# Altium PCB RTD_12POS_WPSv3.PcbDoc (part 3 of 4)
Units mm, origin at the board's own origin, x right, y up, seen from the top; angles counter-clockwise.
Board outline 122.3 x 122.04 mm, 2 copper layers (Top Layer, Bottom Layer); 327 components, 290 nets, 1265 pads, 672 vias.
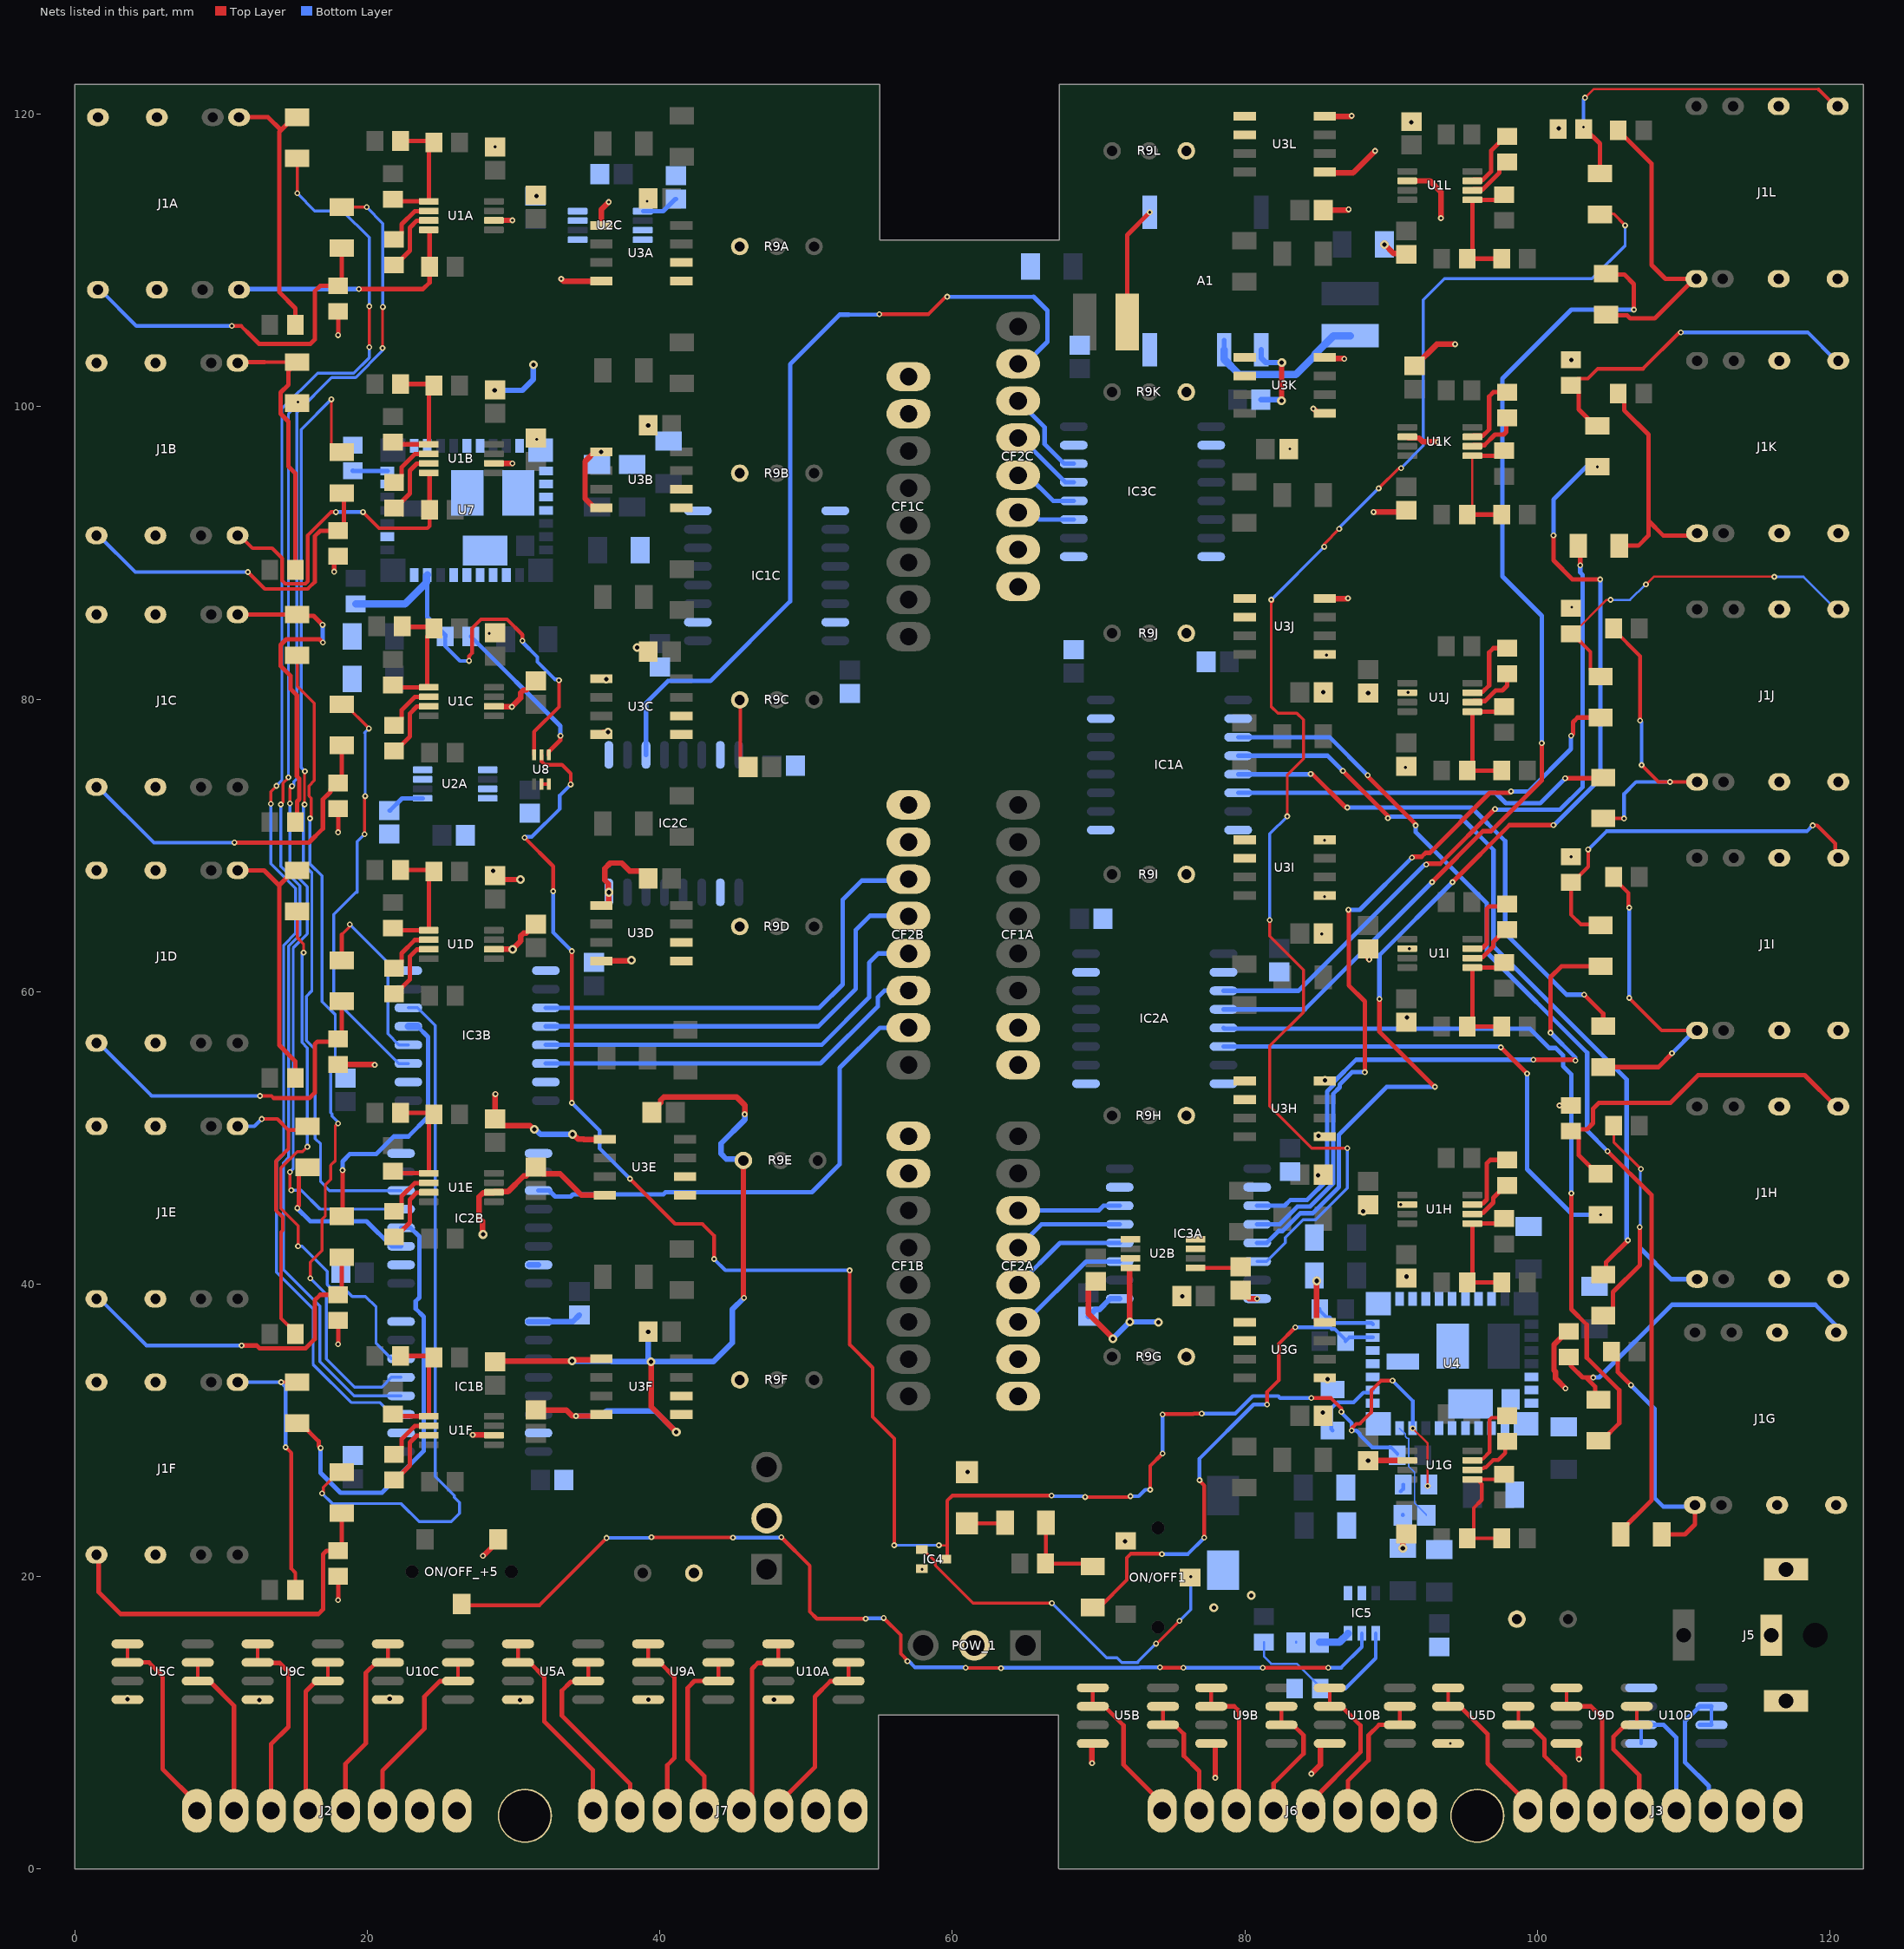
[diagram p3: the nets of this part, all layers, seen from the top]

## Via types
v1: diameter 0.4, hole 0.2, Top Layer to Bottom Layer, tented both sides, 569 vias
v2: diameter 0.6, hole 0.3, Top Layer to Bottom Layer, 59 vias
v3: diameter 0.6, hole 0.3, Top Layer to Bottom Layer, tented both sides, 42 vias
v4: diameter 1.27, hole 0.711, Top Layer to Bottom Layer, 2 vias

## Nets (pads, with @x,y where several pads share a name; then routed paths per layer and width w, separated by ;. In a path a pad name is that pad's centre, name@x,y a point inside that pad or via, vN(x,y) a via of type N, cw(c..) or ccw(c..) an arc to the next point about the centre after c; other vN are vias at no path point) (continued)
CF_OUT8B: CF2B.7 IC2B.11 | length 34.1
  Bottom Layer w0.305: IC2B.11@31.7,46.405 32.43,46.405 32.834,46.001 33.899,46.001 34.046,46.148 40.235,46.148 40.385,46.298 50.398,46.298 52.3,48.2 52.3,54.8 55.04,57.54 CF2B.7@57,57.54
CF_OUT8C: CF2C.7 IC2C.11 | length 57.1
  Top Layer w0.254: v1(55,106.325) 58.35,106.325 59.55,107.525 v1(59.65,107.525)
  Bottom Layer w0.254: 52.925,106.3 54.975,106.3 v1(55,106.325) ; v1(59.65,107.525) 65.55,107.525
  Bottom Layer w0.305: IC2C.11@39.05,76.2 39.05,79.75 40.548,81.248 43.448,81.248 48.902,86.702 48.902,102.902 52.3,106.3 52.925,106.3 ; CF2C.7@64.5,102.94 65,102.94 66.5,104.44 66.5,106.575 65.55,107.525
CF_OUT9A: CF2A.6 IC3A.14 | length 7.1
  Bottom Layer w0.305: CF2A.6@64.5,45.04 70.013,45.04 70.338,45.365 IC3A.14@71.44,45.365
CF_OUT9B: CF2B.6 IC3B.14 | length 27.2
  Bottom Layer w0.305: IC3B.14@32.2,55.095 50.995,55.095 54.9,59 54.9,59.621 55.359,60.08 CF2B.6@57,60.08
CF_OUT9C: CF2C.6 IC3C.14 | length 6.2
  Bottom Layer w0.305: CF2C.6@64.5,100.4 66.302,98.598 66.302,97.453 67.65,96.105 IC3C.14@68.3,96.105
CF_OUT10A: CF2A.5 IC3A.13 | length 7.6
  Bottom Layer w0.305: CF2A.5@64.5,42.5 66.095,44.095 IC3A.13@71.44,44.095
CF_OUT10B: CF2B.5 IC3B.13 | length 28.8
  Bottom Layer w0.305: IC3B.13@32.2,56.365 51.065,56.365 54.3,59.6 54.3,61.983 54.937,62.62 CF2B.5@57,62.62
CF_OUT10C: CF2C.5 IC3C.13 | length 5.3
  Bottom Layer w0.305: CF2C.5@64.64,98 64.602,97.962 CF2C.5@64.5,97.86 64.705,97.86 67.73,94.835 IC3C.13@68.3,94.835
CF_OUT11A: CF2A.4 IC3A.12 | length 8.1
  Bottom Layer w0.305: CF2A.4@64.5,39.96 67.365,42.825 IC3A.12@71.44,42.825
CF_OUT11B: CF2B.4 IC3B.12 | length 30.3
  Bottom Layer w0.305: IC3B.12@32.2,57.635 50.835,57.635 53.4,60.2 53.4,64.236 54.364,65.2 56.96,65.2 CF2B.4@57,65.16
CF_OUT11C: CF2C.4 IC3C.12 | length 4.5
  Bottom Layer w0.305: CF2C.4@64.5,95.32 65.138,95.32 66.893,93.565 IC3C.12@68.3,93.565
CF_OUT12A: CF2A.3 IC3A.11 | length 8.7
  Bottom Layer w0.305: CF2A.3@64.5,37.42 65,37.42 69.135,41.555 IC3A.11@71.44,41.555
CF_OUT12B: CF2B.3 IC3B.11 | length 31.8
  Bottom Layer w0.305: IC3B.11@32.2,58.905 50.905,58.905 52.5,60.5 52.5,66.3 53.8,67.6 56.9,67.6 CF2B.3@57,67.7
CF_OUT12C: CF2C.3 IC3C.11 | length 4
  Bottom Layer w0.305: CF2C.3@64.5,92.78 65.459,92.78 65.944,92.295 IC3C.11@68.3,92.295
CONNGD+1: IC2B.5 R28A.2 | length 82.1
  Top Layer w0.2: v1(14.697,72.878) 14.697,73.909 v1(14.843,74.055) ; v1(14.702,47.678) 14.702,46.521 v1(14.802,46.421) ; R28A.2@18.25,113.65 v1(19.95,113.65) ; v1(21.033,104.025) 21.033,106.8 v1(21.058,106.825)
  Bottom Layer w0.2: v1(14.697,72.878) 14.697,68.376 15.9,67.174 15.9,63.966 14.925,62.991 14.925,47.901 v1(14.702,47.678) ; v1(14.802,46.421) 15.479,46.421 16.765,45.135 IC2B.5@22.3,45.135 ; v1(14.843,74.055) 14.937,74.055 14.968,74.086 14.968,74.368 15.175,74.575 15.175,99.614 17.561,102 19.199,102 21.033,103.834 v1(21.033,104.025) ; v1(19.95,113.65) 21.058,112.542 v1(21.058,106.825)
CONNGD+2: IC2B.6 R28B.2 | length 65.1
  Top Layer w0.2: v1(15.702,72.805) 15.698,72.809 15.698,75.048 v1(15.725,75.075) ; v1(17.535,100.508) 17.535,97.4 18.035,96.9 R28B.2@18.25,96.9
  Bottom Layer w0.2: v1(15.702,72.805) 15.627,72.73 15.627,68.714 16.2,68.141 16.2,60.071 15.823,59.694 15.823,56.667 16.423,56.066 16.423,49.961 16.795,49.589 16.795,47.005 17.395,46.405 IC2B.6@22.3,46.405 ; v1(15.725,75.075) 15.475,75.325 15.475,98.448 v1(17.535,100.508)
CONNGD+3: IC3B.3 R28C.2 | length 29
  Top Layer w0.2: R28C.2@18.25,79.65 18.475,79.65 20.1,78.025 v1(20.1,78) ; v1(19.8,70.778) 19.8,73.325 v1(19.85,73.375)
  Bottom Layer w0.2: v1(19.8,70.778) 19.3,70.278 19.3,66.8 19.2,66.8 17.7,65.3 17.7,59.545 22.15,55.095 IC3B.3@22.8,55.095 ; v1(19.85,73.375) 19.85,77.65 19.8,77.7 v1(20.1,78)
CONNGD+4: IC3B.4 R28D.2 | length 12.9
  Top Layer w0.2: 18.25,63.917 18.8,64.467 v1(18.8,64.6)
  Top Layer w0.305: R28D.2@18.25,62.15 18.25,63.917
  Bottom Layer w0.2: v1(18.8,64.6) 21.404,61.996 21.404,57.121 22.16,56.365 IC3B.4@22.8,56.365
CONNGD+5: IC3B.5 R28E.2 | length 18
  Top Layer w0.305: R28E.2@18.3,44.7 v1(18.3,47.8)
  Top Layer w0.508: R28E.2@18.25,44.65 R28E.2@18.3,44.7
  Bottom Layer w0.305: v1(18.3,47.8) 18.3,48.4 18.8,48.9 18.804,48.896 20.605,48.896 21.809,50.1 22.8,50.1 24.154,51.454 24.154,56.906 IC3B.5@23.425,57.635
  Bottom Layer w0.508: IC3B.5@22.8,57.635 IC3B.5@23.425,57.635
CONNGD+6: IC3B.6 R28F.2 | length 49
  Top Layer w0.2: v1(16.9,25.7) 16.994,25.794 16.994,26.119 18.025,27.15 R28F.2@18.25,27.15
  Bottom Layer w0.2: v1(16.9,25.7) 17.6,25 22.3,25 23.539,23.761 25.739,23.761 26.304,24.325 26.304,25.074 25.939,25.439 25.939,25.561 24.636,26.864 24.636,57.694 23.425,58.905 IC3B.6@22.8,58.905
CONNGD+7: IC2A.5 R28G.2 | length 52.7
  Top Layer w0.305: v1(102.325,46.225) 102.325,38.278 103.373,37.23 103.373,34.976 105.598,32.751 105.598,30.498 104.4,29.3 R28G.2@104.175,29.3
  Bottom Layer w0.305: IC2A.5@78.54,57.525 78.592,57.473 99.493,57.473 100.813,56.152 101.253,56.152 101.752,55.653 101.752,54.913 102.325,54.34 v1(102.325,46.225)
CONNGD+8: IC2A.6 R28H.2 | length 34.4
  Top Layer w0.305: v1(97.5,56.2) v1(99.3,54.4)
  Bottom Layer w0.305: IC2A.6@78.54,56.255 97.445,56.255 v1(97.5,56.2) ; v1(99.3,54.4) 99.3,47.865 102.415,44.75 v1(104.325,44.75)
CONNGD+9: IC3A.3 R28I.2 | length 39.7
  Top Layer w0.305: v1(99.725,55.35) 102.55,55.35 v1(102.6,55.3) ; v1(100.9,57.2) 100.9,61 101.65,61.75 R28I.2@104.325,61.75
  Bottom Layer w0.305: IC3A.3@80.84,45.365 82.717,45.365 83.119,45.767 84.267,45.767 85.627,47.127 85.627,53.182 86.077,53.632 86.077,53.825 87.603,55.35 v1(99.725,55.35) ; v1(100.9,57.2) 102.6,55.5 v1(102.6,55.3)
CONNGD+10: IC3A.4 R28J.2 | length 50.6
  Top Layer w0.305: v1(87.081,65.605) 87.1,65.585 87.1,60.444 88.2,59.344 v1(88.2,54.5) ; v1(91.425,69.175) 91.481,69.231 92.08,69.231 92.35,69.502 92.646,69.502 96.744,73.6 98.1,73.6 v1(98.2,73.7) ; v1(102.3,77.5) 102.433,77.633 102.433,78.433 102.75,78.75 R28J.2@104.325,78.75
  Bottom Layer w0.305: IC3A.4@80.84,44.095 82.381,44.095 83.598,45.312 84.455,45.312 86.032,46.889 86.032,53.015 86.482,53.465 86.482,53.657 87.325,54.5 v1(88.2,54.5) ; v1(87.081,65.605) 87.855,65.605 v1(91.425,69.175) ; v1(98.2,73.7) 99.4,73.7 102.3,76.6 v1(102.3,77.5)
CONNGD+11: IC3A.5 R28K.2 | length 74.8
  Top Layer w0.305: v1(89.2,59.5) 89.2,57.265 92.965,53.5 v1(93,53.5) ; v1(94.2,67.5) 98.1,71.4 v1(101.1,71.4) ; v1(101.1,91.2) 101.1,89.5 102.4,88.2 v1(104.3,88.2)
  Bottom Layer w0.305: IC3A.5@80.84,42.825 81.49,42.825 82.305,43.64 82.569,43.64 83.786,44.857 84.644,44.857 86.437,46.651 86.437,50.237 89.7,53.5 v1(93,53.5) ; v1(89.2,59.5) 89.2,62.5 v1(94.2,67.5) ; v1(101.1,71.4) 101.143,71.4 104.3,74.557 v1(104.3,88.2) ; v1(101.1,91.2) 101.098,91.202 101.098,93.648 103.35,95.9 v1(104.1,95.9)
CONNGD+12: IC3A.6 R28L.2 | length 100.7
  Top Layer w0.2: v1(81.7,64.9) 81.7,63.8 84,61.5 84,58.6 81.7,56.3 81.7,53.6 81.698,53.598 81.698,52.168 84.565,49.3 v1(87,49.3) ; v1(81.8,86.8) 81.9,86.7 81.8,86.6 81.8,79.5 82.25,79.05 83.55,79.05 84,78.6 84,75.944 82.9,74.844 v1(82.9,72) ; v1(85.425,90.425) 85.425,90.625 v1(86.45,91.65) ; v1(89.15,94.425) v1(89.15,94.425) 90.526,95.8 v1(90.675,95.8) ; R28L.2@104.28,113.15 104.33,113.2 105.2,113.2 v1(106,112.4)
  Bottom Layer w0.2: IC3A.6@80.84,41.555 81.49,41.555 82.761,42.826 82.761,43.188 83.975,44.402 84.832,44.402 87,46.57 v1(87,49.3) ; v1(81.7,64.9) 81.7,70.8 v1(82.9,72) ; v1@81.8,86.935 v1(81.8,86.8) v1(85.425,90.425) ; v1(86.45,91.65) 86.45,91.725 v1(89.15,94.425) ; v1(90.675,95.8) 90.675,95.81 92.2,97.335 92.2,107.3 93.655,108.755 103.73,108.755 106,111.025 v1(106,112.4)
CONNGD-1: IC1B.3 R27A.2 | length 99.6
  Top Layer w0.2: v1(13.4,72.85) 13.4,73.686 13.777,74.063 v1(13.777,74.08) ; v1(15.2,114.6) R27A.2@15.2,117 ; v1(20.125,104.075) v1(20.125,106.875)
  Bottom Layer w0.2: v1(13.4,72.85) 13.4,68.768 15.093,67.075 15.093,64.007 14.275,63.189 14.275,48.875 13.775,48.375 13.775,40.831 16.288,38.318 16.288,34.519 18.897,31.91 20.835,31.91 21.65,31.095 IC1B.3@22.3,31.095 ; v1(13.777,74.08) 14.152,74.455 14.152,99.863 16.589,102.3 19.075,102.3 20.125,103.35 v1(20.125,104.075) ; v1(15.2,114.6) 16.4,113.4 18.295,113.4 20.125,111.57 v1(20.125,106.875)
CONNGD-2: IC1B.4 R27B.2 | length 74.8
  Top Layer w0.2: v1(14.077,72.805) 14.227,72.955 14.227,74.263 14.602,74.638 v1(14.602,74.655) ; R27B.2@15.2,100.25 15.275,100.325 v1(15.25,100.325)
  Bottom Layer w0.2: v1(14.077,72.805) 14.077,68.572 15.393,67.257 15.393,63.882 14.625,63.115 14.625,48.673 14.252,48.3 14.252,40.997 16.743,38.506 16.743,34.708 19.085,32.365 IC1B.4@22.3,32.365 ; v1(14.602,74.655) 14.602,99.526 15.25,100.174 v1(15.25,100.325)
CONNGD-3: IC1B.5 R27C.2 | length 57.4
  Top Layer w0.2: R27C.2@15.2,83 15.2,80.9 16.375,79.725 16.375,74.44 15.998,74.063 15.998,73.397 16.152,73.243 16.152,72.004 16.047,71.899 16.047,71.855 v1(16.077,71.855) ; v1(16.1,40.4) 16.1,41.494 16.9,42.294 16.9,44.451 17.123,44.673 17.123,46.797 17.498,47.172 17.498,48.132 17.802,48.437 17.802,50.821 17.981,51 v1(18,51)
  Bottom Layer w0.2: v1(16.077,71.855) 16.077,68.742 16.9,67.919 16.9,59.335 17.802,58.432 17.802,55.214 17.498,54.909 17.498,51.725 17.582,51.64 17.582,51.498 18,51.08 v1(18,51) ; v1(16.1,40.4) 17.198,39.302 17.198,34.896 19.121,32.973 20.988,32.973 21.65,33.635 IC1B.5@22.3,33.635
CONNGD-4: IC1B.6 R27D.2 | length 37
  Top Layer w0.2: R27D.2@15.2,65.5 15.2,63.7 15.636,63.264 v1(15.636,62.67) ; v1(15.259,42.6) 15.259,44.006 14.075,45.19 14.075,47.954 15.198,49.076 15.576,49.076 v1(15.9,49.4)
  Bottom Layer w0.2: v1(15.259,42.6) 15.525,42.6 17.248,40.877 17.248,39.975 17.425,39.798 18.327,39.798 18.959,39.166 19.869,39.166 20.593,38.442 20.593,35.962 21.65,34.905 IC1B.6@22.3,34.905 ; v1(15.636,62.67) 15.523,62.557 15.523,56.542 15.9,56.165 v1(15.9,49.4)
CONNGD-5: IC2B.3 R27E.2 | length 11.4
  Top Layer w0.305: v1(15.2,45.2) 15.2,45.28 15.305,45.384 15.305,47.552 15.752,48 R27E.2@15.9,48
  Bottom Layer w0.305: v1(15.2,45.2) 16.1,44.3 19.945,44.3 21.65,42.595 IC2B.3@22.3,42.595
CONNGD-6: IC2B.4 R27F.2 | length 29.5
  Top Layer w0.305: R27F.2@15.2,30.5 15.425,30.5 16.667,29.258 16.667,28.933 v1(16.8,28.8)
  Bottom Layer w0.305: v1(16.8,28.8) 16.8,27.1 18.152,25.748 20.995,25.748 23.85,28.603 23.85,37.778 23.3,38.328 23.3,38.84 23.552,39.092 23.552,43.263 22.95,43.865 IC2B.4@22.3,43.865
CONNGD-7: IC1A.3 R27G.2 | length 70.7
  Top Layer w0.305: v1(88.4,74.8) 88.4,74.725 91.675,71.45 v1(91.675,71.375) ; v1(104.8,49.1) 107.802,46.098 107.802,25.227 105.7,23.125 R27G.2@105.7,22.9
  Bottom Layer w0.305: IC1A.3@79.54,77.41 85.79,77.41 v1(88.4,74.8) ; v1(91.675,71.375) 91.675,70.925 96.545,66.055 96.545,62.69 103.402,55.833 103.402,50.498 v1(104.8,49.1)
CONNGD-8: IC1A.4 R27H.2 | length 53.9
  Top Layer w0.305: v1(86.7,75.1) 89.775,72.025 v1(89.775,71.875) ; R27H.2@104.5,40.65 104.7,40.85 104.7,41.5 v1(106.2,43)
  Bottom Layer w0.305: IC1A.4@79.54,76.14 85.66,76.14 v1(86.7,75.1) ; v1(89.775,71.875) 89.877,71.977 94.723,71.977 97,69.7 97,63.1 106.1,54 106.1,43.1 v1(106.2,43)
CONNGD-9: IC1A.5 R27I.2 | length 36.3
  Top Layer w0.305: v1(84.5,74.9) 84.6,74.9 86.9,72.6 v1(87,72.6) ; v1(103.2,59.8) 104.5,58.5 R27I.2@104.5,57.65
  Bottom Layer w0.305: IC1A.5@79.54,74.87 84.47,74.87 v1(84.5,74.9) ; v1(87,72.6) 95.5,72.6 97.8,70.3 97.8,64 102,59.8 v1(103.2,59.8)
CONNGD-10: IC1A.6 R27J.2 | length 26
  Top Layer w0.305: v1(101.9,74.6) 104.45,74.6 R27J.2@104.5,74.65
  Bottom Layer w0.305: IC1A.6@79.54,73.6 97.135,73.6 97.837,72.898 100.198,72.898 v1(101.9,74.6)
CONNGD-11: IC2A.3 R27K.2 | length 47.1
  Top Layer w0.305: v1(92.4,68.7) 92.457,68.757 93.357,68.757 v1(97.1,72.5) ; R27K.2@102.8,90.5 102.7,90.4 102.933,90.167 v1(102.933,89.167)
  Bottom Layer w0.305: IC2A.3@78.54,60.065 83.665,60.065 92.3,68.7 v1(92.4,68.7) ; v1(97.1,72.5) 97.157,72.443 101.543,72.443 103.102,74.002 103.102,88.498 102.933,88.667 v1(102.933,89.167)
CONNGD-12: IC2A.4 R27L.2 | length 72
  Top Layer w0.305: v1(92.8,67.5) 96.28,70.98 96.836,70.98 100.3,74.444 v1(100.3,77) ; R27L.2@104.455,109.05 105.95,109.05 106.6,108.4 v1(106.6,106.641)
  Bottom Layer w0.305: IC2A.4@78.54,58.795 84.095,58.795 v1(92.8,67.5) ; v1(100.3,77) 100.3,85.7 97.6,88.4 97.6,101.925 102.316,106.641 v1(106.6,106.641)
DGND_Out: A1.7 C16B.2 C16C.2 C18A.2 C18B.2 C18C.2 C20A.2 C20B.2 C20C.2 C43.2 CF1A.1 CF1A.2 CF1B.1 CF1B.2 CF1C.1 CF1C.2 CF2A.1 CF2A.2 CF2B.1 CF2B.2 CF2C.1 CF2C.2 IC1A.9 IC1A.15 IC1B.9 IC1B.15 IC1C.9 IC1C.15 IC2A.9 IC2A.15 IC2B.9 IC2B.15 IC2C.9 IC2C.15 IC3A.9 IC3A.15 IC3B.9 IC3B.15 IC3C.9 IC3C.15 pad.2@69.3,37.8 | length 7
  Bottom Layer w0.381: IC1B.9@30.991,37.445 IC1B.9@31.7,37.445 34.045,37.445 C18B.2@34.5,37.9 ; IC2B.15@31.05,41.325 IC2B.15@31.7,41.325 ; pad.2@69.3,37.8 69.76,38.26 70.035,38.26 70.79,39.015 IC3A.9@71.44,39.015
GND: A1.1 C1A.2 C1B.2 C1C.2 C1D.2 C1E.2 C1F.2 C1G.2 C1H.2 C1I.2 C1J.2 C1K.2 C1L.2 C2A.1 C2B.1 C2C.1 C2D.1 C2E.1 C2F.1 C2G.1 C2H.1 C2I.1 C2J.1 C2K.1 C2L.1 C3A.1 C3B.1 C3C.1 C4A.1 C4B.1 C4C.1 C5A.1 C5B.1 C5C.1 C6A.2 C6B.2 C6C.2 C6D.2 C6E.2 C6F.2 C6G.2 C6H.2 C6I.2 C6J.2 C6K.2 C6L.2 C7.2 C8.2 C9.2 C10.1 C11.1 C12.1 C13.1 C14.1 C15A.2 C15B.2 C15C.2 C17A.2 C17B.2 C17C.2 C19A.2 C19B.2 C19C.2 C29.2 C30.2 C31.2 C33.1 C34.1 C35.1 C36.1 C38.1 C39.1 C40.1 C41.1 C42.1 C44.1 D1.2 IC1A.2 IC1A.8 IC1B.2 IC1B.8 IC1C.2 IC1C.8 IC2A.2 IC2A.8 IC2B.2 IC2B.8 IC2C.2 IC2C.8 IC3A.2 IC3A.8 IC3B.2 IC3B.8 IC3C.2 IC3C.8 IC4.3 IC5.1 J1A.1 J1A.7 J1A.8 J1B.1 J1B.7 J1B.8 J1C.1 J1C.7 J1C.8 J1D.1 J1D.7 J1D.8 J1E.1 J1E.7 J1E.8 J1F.1 J1F.7 J1F.8 J1G.1 J1G.7 J1G.8 J1H.1 J1H.7 J1H.8 J1I.1 J1I.7 J1I.8 J1J.1 J1J.7 J1J.8 J1K.1 J1K.7 J1K.8 J1L.1 J1L.7 J1L.8 J2.7 J2.8 J3.7 J3.8 J5.2 J5.3 J5.4 J6.7 J6.8 J7.7 J7.8 ON/OFF1.1 ON/OFF_+5.1 pad.2@47.3,24 pad.4 POW_1.2 R7A.1 R7B.1 R7C.1 R7D.1 R7E.1 R7F.1 R7G.1 R7H.1 R7I.1 R7J.1 R7K.1 R7L.1 R9A.1 R9B.1 R9C.1 R9D.1 R9E.1 R9F.1 R9G.1 R9H.1 R9I.1 R9J.1 R9K.1 R9L.1 R13.1 R14.1 R23.2 R26.1 U1A.6 U1B.6 U1C.6 U1D.6 U1E.6 U1F.6 U1G.6 U1H.6 U1I.6 U1J.6 U1K.6 U1L.6 U2A.4 U2B.4 U2C.4 U3A.1 U3A.4 U3B.1 U3B.4 U3C.1 U3C.4 U3D.1 U3D.4 U3E.1 U3E.4 U3F.1 U3F.4 U3G.1 U3G.4 U3H.1 U3H.4 U3I.1 U3I.4 U3J.1 U3J.4 U3K.1 U3K.4 U3L.1 U3L.4 U4.1 U4.4 U4.5 U4.8 U4.9 U4.16 U4.17 U4.18 U4.19 U4.20 U4.29 U4.30 U4.32 U4.33 U4.34 U4.37 U4.40 U5A.4 U5B.4 U5C.4 U5D.4 U7.10 U7.11 U7.12 U7.13 U7.14 U7.15 U7.39 U9A.4 U9B.4 U9C.4 U9D.4 U10A.4 U10B.4 U10C.4 U10D.4 | length 216.6
  Top Layer w0.254: R9C.1@45.46,79.96 45.502,79.918 45.502,75.898 C17C.2@46.025,75.375
  Top Layer w0.305: v1(17.725,88.725) 17.725,89.5 R7B.1@18,89.775 ; v1(18,18.4) R7F.1@18,20.025 ; v1(18,35.9) R7E.1@18,37.525 ; v1(18,70.9) R7C.1@18,72.525 ; v1(18,104.9) R7A.1@18,106.525
  Top Layer w0.381: U5C.4@3.6,11.595 v2(3.6,11.625) ; U9C.4@12.5,11.595 12.605,11.595 v2(12.625,11.575) ; R7D.1@18,55.025 20.475,55.025 v1(20.5,55) ; U10C.4@21.4,11.595 21.47,11.595 v2(21.525,11.65) ; v1(27.2,29.7) 27.212,29.688 28.638,29.688 U1F.6@28.65,29.675 ; v1(27.9,21.425) 27.926,21.425 28.944,22.443 ON/OFF_+5.1@28.944,22.543 ; v2(27.903,43.403) 27.861,43.445 27.861,43.933 27.86,43.935 27.86,44.311 27.634,44.536 27.634,45.977 27.913,46.256 28.615,46.256 U1E.6@28.65,46.29 28.684,46.325 29.603,46.325 30.684,47.406 30.865,47.406 31.475,48.015 C2E.1@31.525,48.015 31.984,47.556 33.175,47.556 34.636,46.095 36.022,46.095 36.129,45.988 U3E.4@36.237,46.095 ; v1(28.328,84.505) 28.685,84.505 C1C.2@28.725,84.545 C1C.2@28.775,84.595 ; U1D.6@28.65,62.905 v2(29.924,62.905) 30.484,63.466 30.484,63.821 30.684,64.021 30.865,64.021 31.475,64.63 C2D.1@31.525,64.63 ; U1C.6@28.65,79.52 28.684,79.486 29.873,79.486 30.484,80.097 30.484,80.436 30.684,80.636 30.865,80.636 31.475,81.245 C2C.1@31.525,81.245 ; U1B.6@28.65,96.135 v1(29.924,96.135) ; U1A.6@28.65,112.75 v1(29.924,112.75) ; C1F.2@28.725,34.7 28.775,34.75 v2(34,34.75) 34.078,34.827 35.909,34.827 U3F.1@35.987,34.905 ; C1D.2@28.725,67.93 28.98,67.675 v2(30.475,67.675) ; v1(28.75,53) 28.725,52.975 C1E.2@28.725,51.315 29.184,50.856 31.11,50.856 31.366,50.6 v2(31.425,50.6) ; U5A.4@30.3,11.595 30.32,11.575 v2(30.425,11.575) ; C2F.1@31.525,31.4 33.6,31.4 34.012,30.988 v1(34.262,30.988) 35.879,30.988 U3F.4@35.987,31.095 ; C2B.1@31.525,97.86 31.525,97.825 v1(31.575,97.775) ; C2A.1@31.525,114.475 31.525,114.45 v2(31.55,114.425) ; v1(33.25,108.75) 33.405,108.595 U3A.4@35.987,108.595 U3A.4@35.879,108.488 ; v2(34.025,50.25) 34.084,50.25 34.409,49.925 34.775,49.925 34.795,49.905 U3E.1@36.237,49.905 U3E.1@36.159,49.828 ; U3C.4@35.879,77.488 U3C.4@35.987,77.595 36.144,77.752 v2(36.452,77.752) ; U3B.4@35.879,92.988 U3B.4@35.987,93.095 35.527,93.095 34.886,93.735 34.886,96.264 35.613,96.992 U3B.1@35.9,96.992 ; U3D.1@35.909,65.827 U3D.1@35.987,65.905 36.401,65.905 36.51,66.014 v2(36.51,66.8) 36.468,66.842 36.468,67.4 36.232,67.636 36.232,68.432 36.6,68.8 37.394,68.8 37.934,68.26 38.741,68.26 39.2,67.8 C6D.2@39.2,67.75 ; U3C.1@35.909,81.327 U3C.1@35.987,81.405 36.295,81.405 v2(36.325,81.375) ; U3A.1@35.909,112.327 U3A.1@35.987,112.405 35.987,113.487 v1(36.5,114) ; U3D.4@35.987,62.095 36.014,62.122 38.022,62.122 v2(38.05,62.15) ; v2(38.45,83.55) 38.9,83.55 C6C.2@39.2,83.25 ; v1(39.128,114.057) 39.128,114.178 C6A.2@39.2,114.25 ; U9A.4@39.2,11.595 39.22,11.595 v2(39.225,11.6) ; v2(39.2,98.725) C6B.2@39.2,98.75 ; v2(39.4,34.7) 39.4,31.62 v2(41.125,29.895) ; C6E.2@39.45,51.75 39.45,51.8 40.06,52.409 40.06,52.591 40.259,52.791 45.26,52.791 45.8,52.25 v1(45.8,51.625) ; R9E.1@45.71,48.46 45.71,39.115 v1(45.75,39.075) ; v2(47.8,11.6) 47.805,11.595 U10A.4@48.1,11.595 ; IC4.3@57.9,20.55 57.9,20.525 v1(57.925,20.5) ; D1.2@61,27.15 61.025,27.15 v2(61.05,27.175) ; v1(69.55,7.25) 69.55,8.545 U5B.4@69.6,8.595 ; C3B.1@69.8,40.2 69.75,40.2 69.29,39.74 69.29,38 70.975,36.315 v2(70.975,36.275) ; v2(71.8,22.425) 71.819,22.444 ON/OFF1.1@71.857,22.444 ; v2(72.125,37.425) 72.125,41.075 U2B.4@72.175,41.125 ; C5B.1@75.7,39.2 v2(75.725,39.175) ; U9B.4@77.875,8.625 77.73,8.625 U9B.4@77.7,8.595 77.874,8.595 77.975,8.494 v1(77.975,6.25) ; C4B.1@79.7,39.6 80.285,39.015 v1(80.84,39.015) ; v2(82.5,100.425) 82.512,100.437 82.512,103.012 v2(82.525,103.025) ; C6K.2@83,97.1 83.05,97.1 v1(83.075,97.125) ; v1(84.55,6.525) 85.166,7.141 85.166,8.494 85.267,8.595 U10B.4@85.8,8.595 ; v1(84.675,99.875) 84.701,99.875 85.013,99.563 U3K.1@85.473,99.563 ; v2(84.904,40.229) 84.904,37.515 85.013,37.405 U3G.4@85.473,37.405 ; v2(85,47.45) 85.042,47.492 C6H.2@85.36,47.492 ; v2(85.025,50.15) 85.41,50.15 U3H.1@85.473,50.087 ; v1(85.25,63.95) 85.284,63.984 C6I.2@85.36,63.984 ; v2(85.325,31.225) 85.36,31.19 C6G.2@85.36,31 ; C6J.2@85.36,80.476 v2(85.35,80.475) ; C6L.2@85.36,113.46 87.06,113.46 v1(87.1,113.5) ; v1(85.45,66.5) 85.473,66.523 U3I.1@85.473,66.579 ; v1(85.45,70.35) 85.473,70.373 U3I.4@85.473,70.389 ; U3G.1@85.473,33.595 85.568,33.5 v2(85.65,33.5) ; U3H.4@85.473,53.897 85.475,53.899 v2(85.475,53.95) ; U3J.1@85.473,83.071 85.529,83.071 v1(85.575,83.025) ; U3J.4@85.473,86.881 87.031,86.881 v1(87.05,86.9) ; U3K.4@85.473,103.373 85.529,103.317 86.758,103.317 v1(86.8,103.275) ; U3L.1@85.473,116.055 85.528,116 87.4,116 v1(88.9,117.5) ; U3L.4@85.473,119.865 87.265,119.865 v1(87.3,119.9) ; v2(88.1,45) 88.43,45.33 C2H.1@88.43,45.429 ; C2I.1@88.43,62.928 88.43,62.27 v1(88.5,62.2) ; C2G.1@88.455,27.955 U1G.6@91.105,27.955 ; v1(88.8,92.8) 90.904,92.8 C1K.2@91.03,92.926 ; v2(89.55,111.1) 90.166,110.484 90.971,110.484 C1L.2@91.03,110.425 ; v1(90.65,45.45) 90.654,45.454 U1H.6@91.105,45.454 ; v2(90.8,21.95) 90.8,22.7 C1G.2@91.03,22.93 ; v1(90.975,75.35) 91.03,75.405 C1J.2@91.03,75.427 ; C1H.2@91.03,40.429 91.03,40.505 v2(91.05,40.525) ; C1I.2@91.03,57.928 91.03,58.205 v2(91.075,58.25) ; U1I.6@91.105,62.953 91.247,62.953 v1(91.25,62.95) ; U1J.6@91.105,80.452 91.125,80.432 91.15,80.457 v1(91.15,80.475) ; U1K.6@91.105,97.951 91.189,97.866 91.892,97.866 92.159,97.6 v1(93.2,97.6) ; U1L.6@91.105,115.45 92.65,115.45 93.4,114.7 v1(93.4,112.9) ; v2(91.375,119.45) 91.4,119.475 C2L.1@91.4,119.5 ; C2K.1@91.6,102.8 91.65,102.8 93.125,104.275 v1(94.375,104.275) ; U5D.4@93.9,8.595 94.045,8.595 v1(94.05,8.6) ; R7L.1@101.425,119 101.425,119.025 v2(101.45,119.05) ; v1(101.5,52.225) R7H.1@102.3,52.225 ; v1(101.925,32.875) 101.25,33.55 101.25,34 101.135,34.115 101.135,35.859 102.05,36.775 R7G.1@102.15,36.775 ; U9D.4@102,8.595 102.707,8.595 102.808,8.494 102.808,7.567 v1(102.85,7.525) ; R7J.1@102.3,86.225 102.3,86.25 v1(102.35,86.3) ; R7K.1@102.3,103.225 v2(102.325,103.2) ; J1I.8@116.47,69.225 J1I.8@116.545,69.15 ; v2(85.35,80.475) v2(85.35,80.475)
  Bottom Layer w0.254: R14.1@90.65,25.825 90.825,26 R14.1@90.825,26.3 ; C14.1@90.8,24.2 C14.1@90.8,24.25